# Allegro board trx_layout.brd (continued)
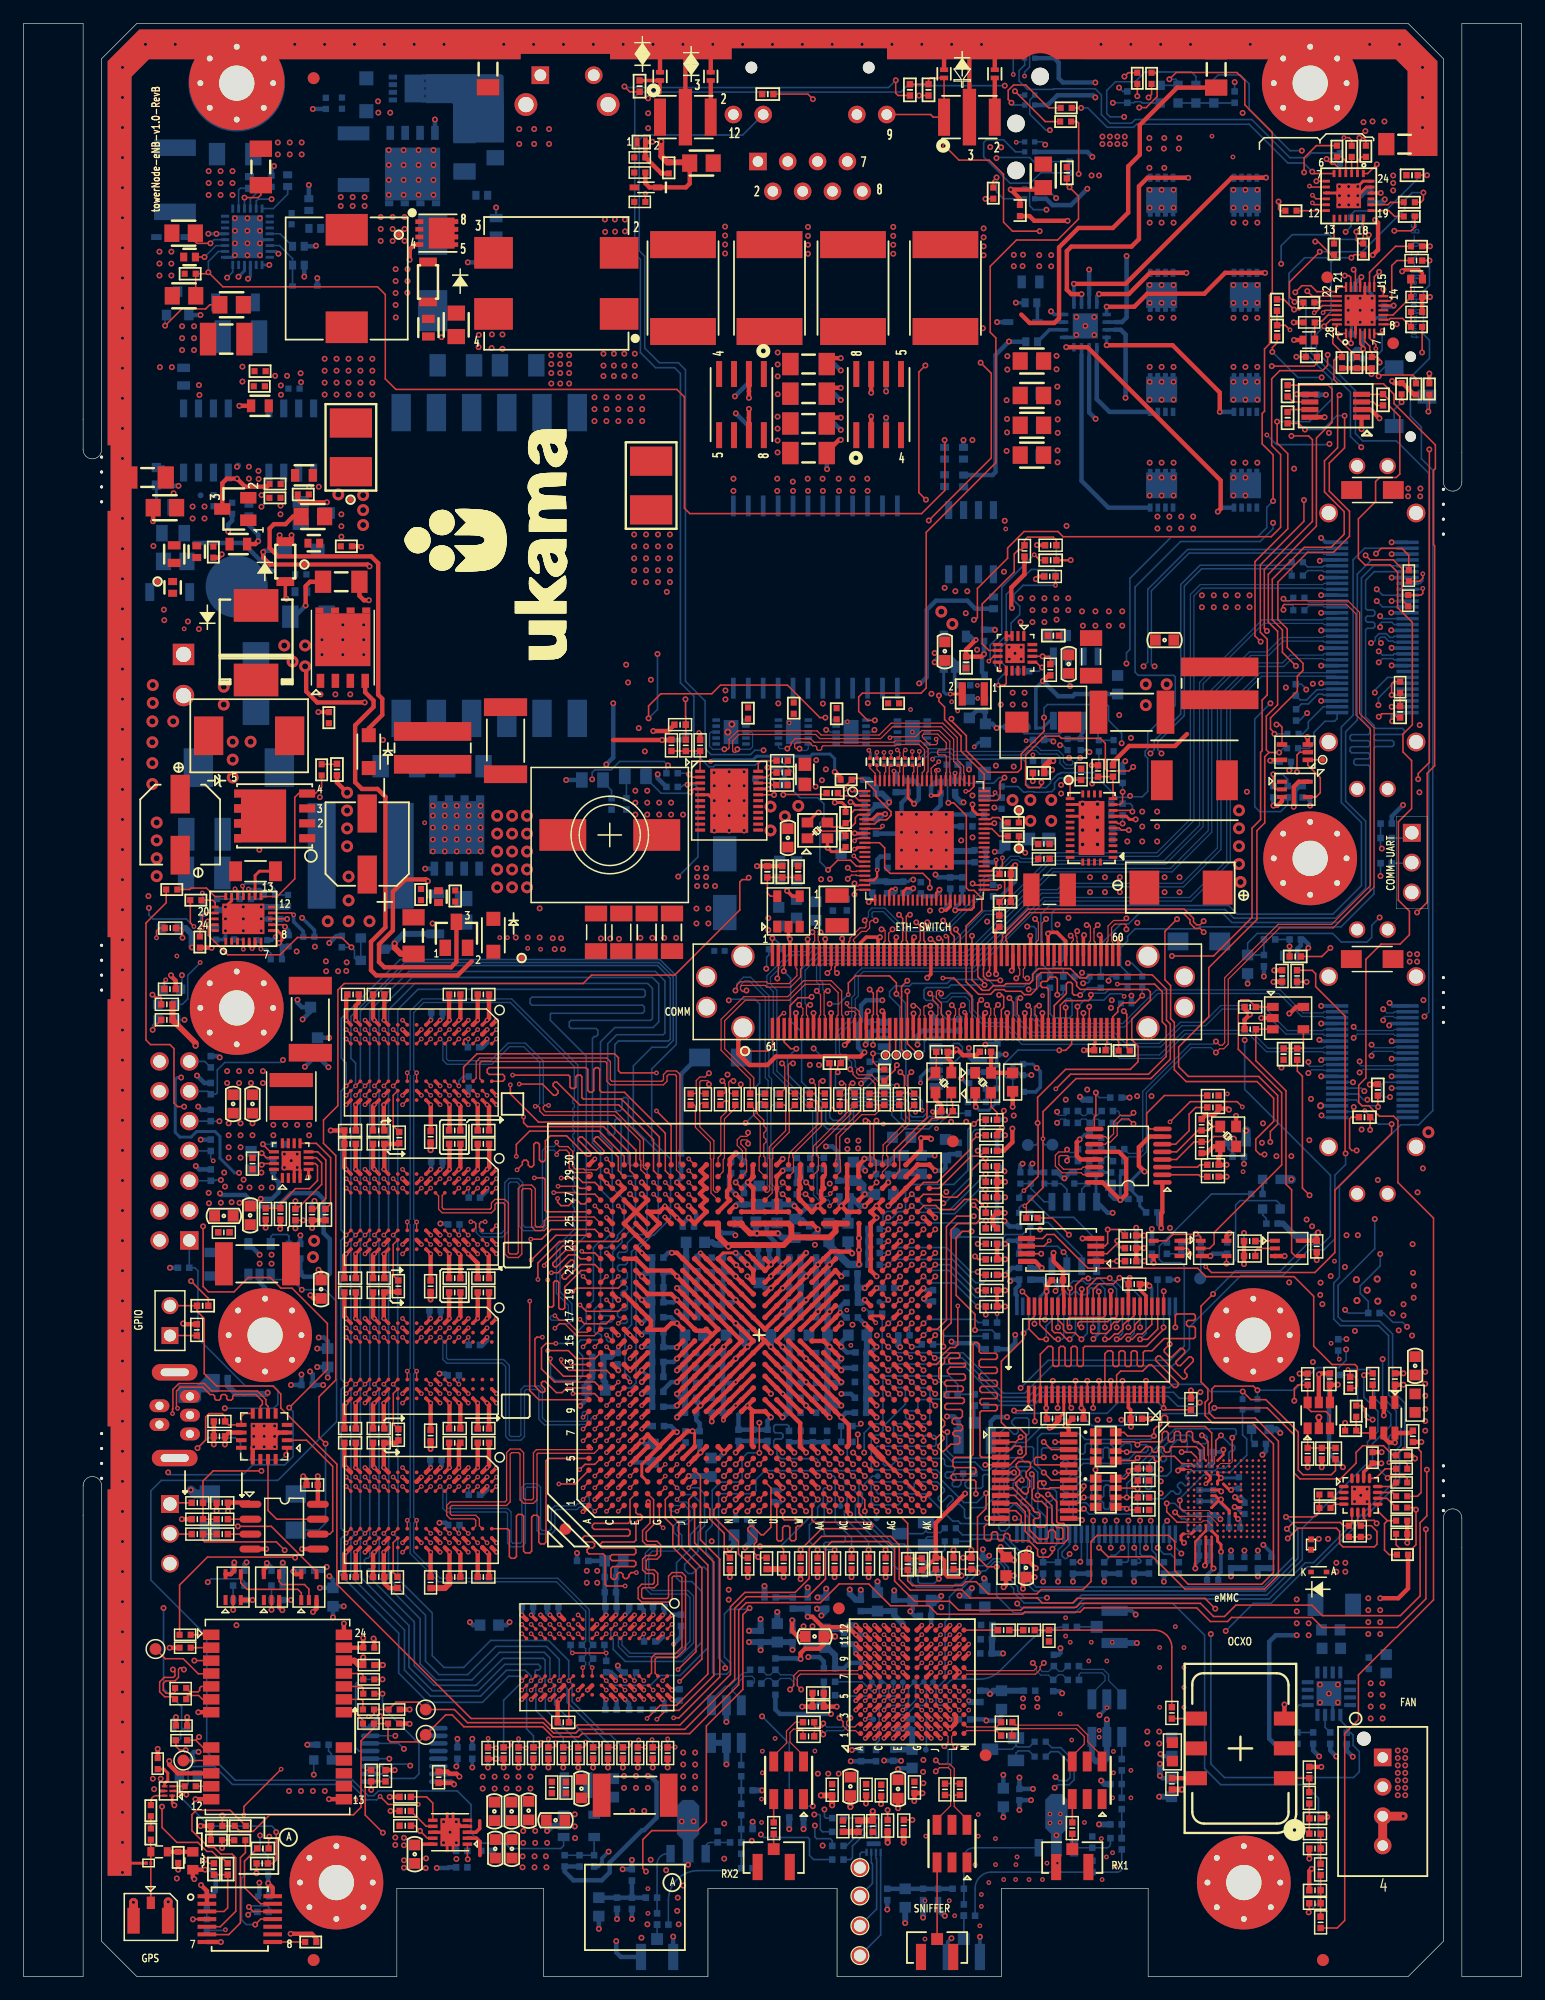
[diagram p0: board, top side]
## Routing (per net, layer and track width the routed paths; a pad name or vN(x,y) marks a point on that pad's centre or on a via; arc(x,y) is an arc through that point) (continued)
GND_POWER: length 7.6
  TOP w0.381: R44.2 v1(18.39,133.74)
  BOTTOM w0.254: U45.1 17.83,146.38 v1(18.01,146.56) ; v1(20.14,147.57) 20.45,147.88 U45.19
  BOTTOM w0.381: R256.2 v1(24.31,152.54) ; R730.2 v1(80.07,130.82) ; v1(37.85,145.95) 38.44,145.95 C188.2 ; D18.2 v1(25.03,144.61)
  vias: v1(11.58,146.86) v1(11.58,145.85) v1(11.58,144.83) v1(12.6,146.86) v1(12.6,145.85) v1(12.6,144.83) v1(13.51,140.51) v1(13.51,139.5) v1(13.51,138.48) v1(14.53,140.51) v1(14.53,139.5) v1(14.53,138.48) v1(14.94,135.5) v1(14.99,134.66) v1(18.01,149.71) v1(18.01,148.64) v1(18.01,147.57) v1(19.08,149.71) v1(19.08,148.64) v1(19.08,147.57) v1(19.08,146.56) v1(20.14,149.71) v1(20.14,148.64) v1(20.14,146.56) v1(21.67,156.16) v1(21.67,155.14) v1(22.68,156.16) v1(22.68,155.14) v1(23.7,156.16) v1(23.7,155.14) v1(23.61,136.51) v1(23.64,135.74) v1(27.03,151.51) v1(27.03,150.75) v1(28.04,151.51) v1(28.04,150.75) v1(29.06,151.51) v1(29.06,150.75) v1(30.2,159.66) v1(30.23,158.7) v1(31.24,158.7) v1(31.7,145.37) v1(31.7,144.36) v1(31.7,143.34) v1(31.7,142.32) v1(31.71,141.26) v1(32.72,145.37) v1(32.72,144.36) v1(32.7,143.37) v1(38.79,139.77) v1(38.77,138.73) v1(39.88,138.66) v1(39.9,139.82) v1(40.8,139.81) v1(40.8,138.59) v1(48.64,134.47) v1(48.64,133.45) v1(48.64,132.44) v1(49.66,134.47) v1(49.66,133.45) v1(49.66,132.44) v1(50.67,134.47) v1(50.67,133.45) v1(50.67,132.44) v1(51.69,134.47) v1(51.69,133.45) v1(51.69,132.44) v1(52.7,134.47) v1(52.7,133.45) v1(52.7,132.44) v1(80.84,130.82)
V1P8_S: length 19.7
  TOP w0.254: J4.116 91.29,79.47 91.21,79.4 R115.2
  TOP w0.381: v1(90.33,78.87) R115.2 ; R11.2 114.71,75.97 v1(114.68,75.95)
  BOTTOM w0.254: U248.1 84.44,77.69 C650.1 85.99,77.69 v1(86.31,77.37)
  BOTTOM w0.305: v2(76.41,76.08) 76.41,76.59 76.99,77.16 U59.2 ; v1(86.31,77.37) 86.62,77.06 86.62,75.72 86.22,75.32 R659.1
  BOTTOM w0.381: R295.1 116.56,98.79 v1(117.52,99.75) ; R656.1 80.91,77.96 80.53,78.34 v1(80.53,79.05) ; R102.2 U58.2 76.58,80.54 76.16,80.12 v1(76.16,79.35)
  vias: v1(92.64,82.48) v1(92.71,83.12)
V3P3_A: length 34.7
  TOP w0.381: v1(71.64,78.69) 71.28,78.33 70.06,78.33 70.02,78.36 68.24,78.36 68.21,78.33 64.08,78.33 63.36,77.61 61.84,77.61 60.89,78.56 60.89,80.39 J4.PC1
  L3-SIGNAL w0.381: v1(83.67,78.51) 83.62,78.51 83.38,78.27 79.06,78.27 77.98,79.35 77.48,79.35 75.98,80.84 75.47,80.84 v1(73.16,83.12)
  BOTTOM w0.305: U248.6 82.91,78.42 C651.1 83.65,78.49 v1(83.67,78.51)
  BOTTOM w0.381: v1(73.16,83.12) 71.78,83.12 71.35,82.69 71.35,81.34 71.1,81.09 71.1,79.23 71.1,79.23 71.1,79.08 71.47,78.71 71.62,78.71 v1(71.64,78.69)
VCC: length 1.7
  BOTTOM w0.254: U45.21 21.52,146.88 v1(21.72,146.69)
  BOTTOM w0.381: R251.2 21.13,153.94 v1(21.34,154.15)
  vias: v1(15.77,153.72) v1(15.77,152.7) v1(15.77,151.69) v1(16.79,153.72) v1(16.79,152.7) v1(16.79,151.69) v1(17.81,153.72) v1(17.81,152.7) v1(17.81,151.69) v1(21.92,135.47) v1(21.94,134.68)
VDD_CORE: length 9.3
  TOP w0.203: v1(79.36,90.78) 79.41,90.83 80.75,90.83 80.95,91.03 U243.44 ; U243.61 81.26,98.93
  TOP w0.254: U243.23 72.17,91.65 v1(72,91.49) ; 81.26,98.93 80.84,99.35 v1(80.84,99.8) ; U243.10 70.82,97.33
  TOP w0.381: 70.82,97.33 v1(70.81,97.35)
  BOTTOM w0.305: v1(79.36,90.78) 79.36,91 79.97,91.61 C628.1
  BOTTOM w0.381: C632.1 72.3,91.79 v1(72,91.49) ; C629.1 70.84,97.32 v1(70.81,97.35)
  vias: v1(80.84,100.56)
VDD_GPO: length 7.1
  TOP w0.381: U3.B8 v2(71.7,26.71)
  BOTTOM w0.381: v2(71.7,26.71) 70.37,26.71 69.9,26.24 C424.1
  BOTTOM w0.508: C424.1 69.14,27.35 68.48,28.02 C414.1 L33.2
VDDA_1V3_BB: length 4.5
  TOP w0.381: U3.K4 v2(78.92,22.68)
  BOTTOM w0.508: C429.1 82.06,24.33 v1(82.34,24.06) 82.61,24.33 C430.1 L38.2
  vias: v1(85.14,23.67) v1(85.14,22.96)
VDDA_1V3_RX_LO: length 6
  TOP w0.381: U3.E2 v2(74.1,21.08) ; U3.F2 v2(74.9,21.08)
  BOTTOM w0.508: L39.2 C440.1 C435.1 75.57,21.08 v2(74.9,21.08) v2(74.1,21.08)
VDDA_1V3_RX_SYNTH: length 0.6
  TOP w0.381: U3.J3 v2(78.12,21.88)
  vias: v1(76.66,18.44) v1(76.63,17.42) v1(76.66,16.46)
VDDA_1V3_RX_TX: length 1.7
  TOP w0.381: U3.E3 v2(74.11,21.89) ; U3.D3 v2(73.3,21.88) ; U3.D2 v2(73.3,21.08)
  vias: v1(67.67,17.27) v1(68.56,17.27) v1(69.45,17.27)
VDDA_1V3_TX_LO: length 6.2
  TOP w0.381: U3.B10 v2(71.7,28.31) ; U3.B9 v2(71.7,27.51)
  BOTTOM w0.508: L32.2 C412.1 C413.1 v1(65.51,27.81) ; L32.2 v1(62.79,27.79) ; L32.2 v1(61.8,28.47)
VDDA_1V3_TX_SYNTH: length 4.6
  TOP w0.381: U3.K3 v2(78.92,21.88)
  BOTTOM w0.381: C448.1 v1(83.47,17.17) ; v1(84.84,16.94) L41.2 v1(85.99,15.98) ; C434.1 79.67,21.88 v2(78.92,21.88)
VDDD_1V3_DIG: length 4.9
  TOP w0.381: U3.F12 v2(74.9,29.91)
  BOTTOM w0.508: L31.2 C398.1 C401.1 74.17,30.76 74.9,30.03 v2(74.9,29.91)
VIN:
  vias: v1(25.65,137.74) v1(25.65,136.73) v1(25.65,135.71) v1(25.65,134.7) v1(26.67,137.74) v1(26.67,136.73) v1(26.67,135.71) v1(26.67,134.7) v1(27.69,137.74) v1(27.69,136.73) v1(27.69,135.71) v1(27.69,134.7) v1(28.7,137.74) v1(28.7,136.73) v1(28.7,135.71) v1(28.7,134.7) v1(29.72,137.74) v1(29.72,136.73) v1(29.72,135.71) v1(29.72,134.7)
1P5: length 2.2
  TOP w0.381: v1(62.48,94.55) R545.1 C600.1
  vias: v1(67.53,103.57) v1(67.94,93.42) v1(68.35,102.79) v1(68.71,93.44)
1PPS_OUT: length 195.2
  TOP w0.137: v1(101.52,31.32) 100.63,32.21 89.77,32.21 89.36,31.8 86.79,31.8 86.37,32.23 80.63,32.23 79.96,32.9 75.53,32.9 74.6,33.84 74.6,36.75 73.87,37.48 67.99,37.48 66.93,36.42 66.93,33.9 65.74,32.71 61.45,32.71 60.23,31.48 60.23,25.72 55.93,21.42 47.18,21.42 46.84,21.08 45.21,21.08 44.32,21.97 38.13,21.97 26.7,33.4 26.7,43.62 21.92,48.4 21.92,49.61 21.25,50.28 16.45,50.28 15.4,51.33 15.4,56.03 14.78,56.64 R7.2 J6.2
  L3-SIGNAL w0.127: v1(101.52,31.32) 105.9,31.32 110.57,35.99 114.58,35.99 116.26,37.67 116.26,40.51 112.09,44.68 112.09,47.78 112.93,48.62 112.93,50.67 112.6,51 111.13,51 109.93,49.81 107.67,49.81 107.16,49.29 100.62,49.29 v1(100.2,48.87)
  BOTTOM w0.137: R413.1 82.02,48.63 86.05,48.63 86.83,49.41 97.48,49.41 98.32,48.56 99.9,48.56 v1(100.2,48.87)
4G_IN_12V: length 27.8
  TOP w0.381: v1(34.45,93.26) 34.3,93.41 32.52,93.41 31.47,92.36 31.47,89.07 30.28,87.89 30.28,86.39 30.74,85.93 36.42,85.93 36.88,86.39 Q12.3
  L6-SIGNAL w0.381: v1(34.45,93.26) 33.19,94.52 29.28,98.43 29.2,98.43
  BOTTOM w0.254: 14.34,125.1 v1(14.41,125.16)
  vias: v1(11.96,116.38) v1(12,115.49) v1(14.41,124.15) v1(15.42,125.16) v1(15.42,124.15) v1(20.02,128.19) v1(20.03,127.51) v3(10.98,106.87) v3(10.98,105.09) v3(10.98,103.31) v3(10.98,101.54) v3(12.76,106.87) v3(26.82,126.19) v3(28.93,126.13) v3(28.93,124.86) v3(28.93,123.59)
7130_BOOT_AD0: length 54.8
  TOP w0.137: v1(73.67,39.61) U1.AF1 ; U27.4 81.62,44.21 81.48,44.35 81.48,46.5 81.48,46.5 81.48,48.03 81.61,48.17 82.82,48.17 82.96,48.31 82.96,48.55 82.82,48.69 81.61,48.69 81.48,48.82 81.48,49.07 81.61,49.21 82.82,49.21 82.96,49.34 82.96,49.59 82.82,49.72 81.61,49.72 81.48,49.86 81.48,50.11 81.61,50.24 82.82,50.24 82.96,50.38 82.96,50.62 82.82,50.76 81.61,50.76 81.41,50.96 81.41,51.22 81.55,51.36 82.82,51.36 82.96,51.5 82.96,51.74 82.82,51.88 81.55,51.88 81.41,52.02 81.41,52.41 81.55,52.55 82.82,52.55 82.96,52.69 82.96,52.93 82.82,53.07 81.55,53.07 81.41,53.21 81.41,53.83 81.28,53.97 81.03,53.97 80.9,53.83 80.9,44.45 80.66,44.21 79.39,44.21 79.18,44 79.18,43.47 79.32,43.33 80.99,43.33 81.13,43.19 81.13,42.93 80.99,42.79 79.17,42.79 79.04,42.66 79.04,42.41 79.17,42.27 80.99,42.27 81.13,42.14 v1(81.13,41.1)
  L3-SIGNAL w0.127: v1(81.13,41.1) 81.13,40.21 81,40.08 73.8,40.08 73.67,39.95 v1(73.67,39.61)
7130_BOOT_AD1: length 33.2
  TOP w0.137: v1(85.19,54.76) 85.19,54.28 83.3,52.39 83.3,47.18 83.78,46.7 84.84,46.7 85.4,46.14 85.4,44.49 85.1,44.19 84.67,44.19 84.04,43.56 U27.5 v1(81.93,43.56) ; v1(73.67,40.61) U1.AF2
  L3-SIGNAL w0.127: v1(73.67,40.61) 73.67,40.41 73.66,40.41 73.48,40.23 73.27,40.23 73.14,40.36 73.14,41.93 73.27,42.06 73.81,42.06 73.81,42.07 74.01,42.27 74.47,42.27 74.68,42.06 76.72,42.06 76.86,42.21 77.17,42.21 77.31,42.06 78.08,42.06 78.3,42.28 78.58,42.28 78.81,42.06 79.09,42.06 79.32,42.28 79.6,42.28 79.82,42.06 80.98,42.06 81.17,42.24 81.17,42.42 80.97,42.61 80.97,42.79 81.15,42.97 81.33,42.97 81.52,42.78 81.7,42.78 81.93,43.01 v1(81.93,43.56)
  BOTTOM w0.137: U64.31 85.62,55.19 v1(85.19,54.76)
7130_BOOT_AD2: length 34.9
  TOP w0.137: v1(72.67,41.61) U1.AE3 ; U27.6 84.04,42.91 84.11,42.98 84.3,42.98 v1(84.37,42.91)
  BOTTOM w0.137: v1(72.67,41.61) 72.67,41.23 72.81,41.1 76.83,41.1 76.84,41.09 76.86,41.09 77.12,40.82 77.12,40.81 79.15,38.78 79.62,38.78 79.84,38.56 82.56,38.56 82.7,38.7 82.7,40.3 83.53,41.13 83.53,42.27 84.18,42.91 v1(84.37,42.91) 84.56,42.73 84.56,42.53 84.42,42.39 84.1,42.39 83.79,42.09 83.79,41.62 83.93,41.48 84.18,41.48 84.3,41.6 84.3,41.97 84.4,42.07 84.57,42.07 84.66,41.98 84.66,41.1 84.53,40.96 83.89,40.96 83.75,40.83 83.75,40.63 83.95,40.43 83.95,40.24 83.81,40.09 83.61,40.09 83.39,40.32 83.18,40.32 82.99,40.14 82.99,39.42 83.22,39.2 83.58,39.2 83.72,39.06 83.72,38.82 83.58,38.68 83.22,38.68 83.08,38.54 83.08,38.15 83.29,37.94 83.62,37.94 83.65,37.94 83.98,38.28 83.98,39.85 84.31,40.18 84.51,40.18 85.62,39.07 U64.26
7130_BOOT_AD3: length 42.9
  TOP w0.137: v1(74.67,39.61) U1.AG1 ; v1(85.04,42.27) 85,42.31 84.81,42.31 84.52,42.02 84.52,41.83 85.26,41.1 85.45,41.1 85.58,41.23 85.58,41.57 85.72,41.7 85.72,42.23 85.42,42.53 85.42,42.95 85.78,43.31 85.78,43.7 85.63,43.85 84.81,43.85 84.57,43.61 84.57,43.35 84.84,43.08 84.84,42.75 84.36,42.26 U27.7
  L3-SIGNAL w0.127: v1(74.67,39.61) 75.44,38.84 81.26,38.84 81.9,39.48 82.36,39.48 82.49,39.6 82.49,39.98 82.61,40.11 82.87,40.11 82.99,39.98 82.99,39.6 83.12,39.48 83.37,39.48 83.5,39.6 83.5,39.98 83.63,40.11 83.88,40.11 84.01,39.98 84.01,39.6 84.14,39.48 84.91,39.48 85.04,39.6 85.04,39.78 85.17,39.91 85.43,39.91 85.56,39.78 85.56,39.47 85.69,39.34 85.94,39.34 86.07,39.47 86.07,39.78 86.19,39.91 86.45,39.91 86.58,39.78 86.58,39.47 86.7,39.34 86.96,39.34 87.08,39.47 87.08,39.78 87.21,39.91 87.68,39.91 87.79,40.01 87.79,40.3 87.66,40.42 85.09,40.42 84.94,40.57 84.94,41.38 85.62,42.06 85.62,42.39 85.41,42.61 85.41,42.83 85.28,42.95 85.1,42.95 84.97,42.83 84.97,42.33 v1(85.04,42.27)
  BOTTOM w0.137: v1(85.04,42.27) 85.04,42.57 84.94,42.67 84.94,42.93 85.07,43.07 85.3,43.07 85.42,42.95 85.42,42.6 85.55,42.47 85.55,41.81 85.41,41.67 85.14,41.67 85,41.53 85,41.29 85.14,41.15 85.32,41.15 85.45,41.02 85.45,40.8 85.32,40.66 85.07,40.66 84.94,40.52 84.94,40.27 85.07,40.14 85.4,40.14 85.55,39.99 85.55,39.66 86.12,39.09 U64.25
7130_BOOT_AD4: length 45.9
  TOP w0.137: U27.8 84.26,41.61 85.31,40.56 86.03,39.84 86.03,39.67 86.17,39.53 86.45,39.53 86.58,39.39 86.58,39.15 86.45,39.01 86.17,39.01 86.03,38.87 86.03,38.62 86.38,38.27 86.94,38.27 87.2,38.53 87.2,39.99 86.73,40.46 86.2,40.46 85.93,40.73 85.93,41.43 86.07,41.57 86.07,42.6 v1(85.89,42.77) ; v1(75.67,39.61) U1.AH1
  L3-SIGNAL w0.127: v1(85.89,42.77) 85.89,43.85 85.64,44.11 84.45,44.11 84.32,43.98 84.32,43.74 84.19,43.61 83.94,43.61 83.81,43.74 83.81,43.98 83.69,44.11 83.12,44.11 82.78,43.76 82.78,42.15 82.91,42.02 83.16,42.02 83.3,42.16 83.3,43.24 83.45,43.39 83.64,43.39 83.8,43.22 83.8,42.15 83.93,42.02 84.45,42.02 84.58,41.89 84.58,41.64 84.45,41.51 82.74,41.51 82.61,41.38 82.61,41.13 82.74,41 84.45,41 84.58,40.88 84.58,40.62 84.45,40.49 82.28,40.49 80.95,39.17 80,39.17 79.87,39.3 79.87,39.62 79.74,39.75 79.49,39.75 79.36,39.62 79.36,39.3 79.23,39.17 78.98,39.17 78.85,39.3 78.85,39.62 78.73,39.75 78.47,39.75 78.35,39.62 78.35,39.3 78.22,39.17 75.8,39.17 75.67,39.3 v1(75.67,39.61)
  BOTTOM w0.137: U64.24 86.62,39.11 85.89,39.84 v1(85.89,42.77)
7130_BOOT_AD5: length 47.6
  TOP w0.137: v1(86.4,40.96) 86.73,40.96 86.83,40.86 86.83,40.86 87.09,40.6 87.09,40.6 87.61,40.08 87.61,38.65 88.02,38.25 88.02,38.25 88.04,38.22 88.41,38.22 88.55,38.09 88.55,37.37 88.41,37.23 88.04,37.23 87.9,37.37 87.9,37.84 87.7,38.04 87.49,38.04 87.3,37.85 87.3,37.39 87.16,37.25 86.47,37.25 85.69,38.03 85.69,39.7 84.43,40.96 U27.9 ; v1(74.67,40.61) U1.AG2
  BOTTOM w0.137: U64.23 87.12,39.09 86.4,39.82 v1(86.4,40.96) 86.4,42.94 85.93,43.41 84.19,43.41 83.15,42.37 83.15,41.24 81.84,39.92 80.81,39.92 80.67,39.79 80.67,39.14 80.54,39.01 80.29,39.01 80.15,39.14 80.15,39.79 79.74,40.21 79.54,40.21 79.07,39.74 78.88,39.74 78.71,39.91 78.71,40.1 79.18,40.57 79.18,40.77 79,40.94 78.81,40.94 78.3,40.43 78.1,40.43 77.93,40.6 77.93,40.79 78.44,41.3 78.44,41.5 77.83,42.11 76.02,42.11 75.88,41.98 75.88,41.69 75.74,41.55 75.5,41.55 75.36,41.69 75.36,41.98 75.23,42.11 72.52,42.11 72.21,41.81 72.21,40.42 72.48,40.16 74.52,40.16 74.67,40.3 v1(74.67,40.61)
7130_BOOT_AD6: length 46.8
  TOP w0.137: v1(87.28,41.05) 87.41,41.05 88.02,40.43 88.02,38.72 88.16,38.59 88.61,38.59 88.97,38.23 88.97,37.23 88.63,36.89 86.35,36.89 85.33,37.91 85.33,39.58 84.59,40.31 U27.10 ; v1(73.67,41.61) U1.AF3
  L3-SIGNAL w0.127: v1(73.67,41.61) 74.11,41.17 77.15,41.17 77.29,41.02 77.29,40.54 77.42,40.41 77.67,40.41 77.8,40.54 77.8,41.1 78.36,41.66 78.61,41.66 78.74,41.53 78.74,40.59 78.87,40.46 79.12,40.46 79.25,40.59 79.25,41.5 79.38,41.63 79.74,41.63 79.74,40.85 79.96,40.64 80.46,40.64 80.68,40.86 80.68,41.44 80.87,41.63 81.04,41.63 81.27,41.86 81.61,41.86 81.84,41.63 82.05,41.63 82.38,41.95 82.38,44.37 82.54,44.53 82.94,44.53 83.17,44.75 83.17,45.16 83.37,45.36 83.63,45.36 83.75,45.24 83.75,44.58 83.88,44.45 84.13,44.45 84.26,44.58 84.26,45.31 84.39,45.44 85.23,45.44 85.44,45.22 85.44,45.04 85.57,44.91 85.82,44.91 85.95,45.04 85.95,45.31 86.08,45.44 86.32,45.44 87.39,44.37 87.39,41.16 v1(87.28,41.05)
  BOTTOM w0.137: v1(87.28,41.05) 87.52,41.05 87.66,40.91 87.66,40.59 87.52,40.46 87.24,40.46 87.1,40.32 87.1,40.07 87.24,39.94 87.48,39.94 87.62,39.8 U64.22
7130_BOOT_AD7: length 49.8
  TOP w0.137: v1(87.65,36.42) 87.65,36.07 87.29,35.71 86.54,35.71 86.39,35.86 86.39,36.37 85.64,37.11 84.16,37.11 84.02,37.25 84.02,37.56 83.85,37.72 83.64,37.72 83.5,37.59 83.5,37.25 83.36,37.11 83.12,37.11 82.98,37.25 82.98,37.73 82.85,37.86 82.6,37.86 82.47,37.73 82.47,37.25 82.33,37.11 82.04,37.11 81.85,37.3 81.85,38.31 82.04,38.5 84.85,38.5 84.99,38.64 84.99,39.2 84.53,39.66 U27.11 ; U1.AE4 v1(71.67,43.61)
  L3-SIGNAL w0.127: v1(71.67,43.61) 71.26,43.61 71.13,43.74 71.13,44.04 71.26,44.17 71.8,44.17 71.8,44.17 72.96,44.17 73.21,43.93 73.21,43.5 72.85,43.14 71.24,43.14 71.11,43.02 71.11,41.02 72.16,39.97 72.16,39.49 72.82,38.84 74.51,38.84 75.17,38.18 85.4,38.18 85.83,37.76 86.08,37.76 86.31,37.99 86.49,37.99 86.67,37.81 86.67,37.63 86.4,37.36 86.4,37.18 86.67,36.91 87.8,36.91 88.29,36.42 88.29,35.09 88.12,34.93 87.89,34.93 87.7,35.11 87.7,36.36 v1(87.65,36.42)
  BOTTOM w0.137: v1(87.65,36.42) 88.12,36.89 U64.21
7130_BOOT_AD8: length 28.7
  TOP w0.137: v1(70.67,44.61) U1.AD5
  L3-SIGNAL w0.127: v1(86.89,36.22) 85.27,37.85 75.03,37.85 74.37,38.51 72.01,38.51 71.2,39.32 71.2,39.88 70.95,40.13 70.48,40.13 70.22,40.39 70.22,44.07 70.44,44.29 70.44,44.39 v1(70.67,44.61)
  BOTTOM w0.137: U64.20 88.62,36.8 88.13,36.31 R433.1 R434.1 86.86,35.96 86.89,35.99 v1(86.89,36.22)
7130_BOOT_AD9: length 51.7
  TOP w0.137: U1.AJ1 v1(76.67,39.61)
  L6-SIGNAL w0.127: v1(76.67,39.61) 76.13,39.07 76.13,38.32 76.47,37.97 83.12,37.97 83.25,38.1 83.25,38.93 83.37,39.06 83.63,39.06 83.76,38.93 83.76,38.1 83.88,37.97 84.14,37.97 85.29,39.13 85.55,39.13 85.67,39 85.67,38.1 85.8,37.97 86.05,37.97 86.18,38.1 86.18,39 86.31,39.13 86.56,39.13 86.69,39 86.69,38.1 86.82,37.97 87.07,37.97 87.2,38.1 87.2,39 87.32,39.13 87.58,39.13 87.7,39 87.7,38.1 87.83,37.97 88.09,37.97 88.21,38.1 88.21,39 88.34,39.13 88.59,39.13 88.72,39 88.72,38.1 88.85,37.97 89.1,37.97 89.23,38.1 89.23,39 89.36,39.13 89.81,39.13 90.03,39.34 92.33,39.34 92.58,39.09 92.58,38.05 91.85,37.31 91.36,37.31 91.16,37.11 91.16,34.16 91.25,34.07 91.25,33.82 91.12,33.69 90.69,33.69 90.56,33.56 90.56,33.31 90.69,33.18 91.12,33.18 91.25,33.05 91.25,32.8 91.12,32.67 90.69,32.67 90.56,32.55 90.56,32.29 90.69,32.16 91.12,32.16 91.25,32.04 91.25,31.78 91.12,31.66 90.69,31.66 90.49,31.45 90.49,31.18 90.67,31.01 91.51,31.01 91.64,31.13 91.64,33.42 91.62,33.44 91.62,34.51 v1(93.62,36.51)
  BOTTOM w0.137: R430.1 92.67,35.87 93.03,35.87 93.62,36.46 v1(93.62,36.51) U64.10
7130_BOOT_AD10: length 50.5
  TOP w0.137: U1.AH2 v1(75.67,40.61)
  L6-SIGNAL w0.127: v1(94.12,38.82) 94.12,38.82 94.12,37.58 93.49,36.94 92.71,36.94 92.58,37.07 92.58,37.49 92.77,37.68 92.95,37.68 93.25,37.38 93.43,37.38 93.61,37.56 93.61,37.74 93.31,38.04 93.31,38.22 93.64,38.55 93.64,39.52 92.84,40.32 92.51,40.32 92.38,40.2 92.38,39.81 92.27,39.69 91.98,39.69 91.87,39.81 91.87,40.04 91.46,40.45 91.46,40.79 91.35,40.91 91.07,40.91 90.95,40.79 90.95,40.45 90.83,40.32 89.41,40.32 89.29,40.2 89.29,39.59 89.16,39.46 88.9,39.46 88.78,39.59 88.78,40.2 88.65,40.32 88.4,40.32 88.27,40.2 88.27,39.59 88.14,39.46 87.89,39.46 87.76,39.59 87.76,40.2 87.63,40.32 86.67,40.32 85.81,39.46 83.13,39.46 82.81,39.78 82.81,39.8 82.45,40.17 80.94,40.17 80.81,40.04 80.81,38.72 80.68,38.59 80.43,38.59 80.3,38.72 80.3,40.03 80.17,40.17 79.92,40.17 79.79,40.04 79.79,38.72 79.67,38.59 79.41,38.59 79.29,38.72 79.29,40.03 79.15,40.17 78.91,40.17 78.78,40.04 78.78,38.72 78.65,38.59 78.4,38.59 78.27,38.72 78.27,40.03 78.14,40.17 73.25,40.17 73.13,40.3 73.13,40.95 73.25,41.08 75.62,41.08 75.77,40.92 75.77,40.72 v1(75.67,40.61)
  BOTTOM w0.137: R425.1 93.98,35.27 94.12,35.41 U64.9 v1(94.12,38.82)
7130_BOOT_AD11: length 51.7
  TOP w0.137: U1.AG3 v1(74.67,41.61)
  L6-SIGNAL w0.127: v1(74.67,41.61) 75.97,41.61 76.49,41.1 77.07,41.1 77.51,40.65 82.24,40.65 82.76,41.18 83.02,41.18 83.14,41.05 83.14,39.99 83.27,39.86 83.53,39.86 83.65,39.99 83.65,41.05 83.78,41.18 84.03,41.18 84.16,41.05 84.16,39.92 84.29,39.79 84.54,39.79 84.67,39.92 84.67,41.05 84.8,41.18 85.05,41.18 85.18,41.05 85.18,39.92 85.3,39.79 85.56,39.79 85.68,39.92 85.68,41.05 85.81,41.18 85.98,41.18 86.35,41.55 89.31,41.55 89.63,41.24 92.42,41.24 93.39,40.27 94.25,40.27 94.62,39.9 94.62,37.52 94.12,37.02 94.12,36.37 92.53,34.78 92.53,33.35 92.65,33.23 93.12,33.23 93.24,33.1 93.24,32.85 93.12,32.72 92.65,32.72 92.53,32.59 92.53,32.34 92.65,32.21 93.12,32.21 93.24,32.08 93.24,31.83 93.12,31.7 92.65,31.7 92.53,31.58 92.53,31.22 92.65,31.09 94.04,31.09 94.16,31.22 94.16,34.22 94.62,34.68 v1(94.62,36.51)
  BOTTOM w0.137: U64.8 v1(94.62,36.51) 94.78,36.35 94.78,35.81 95.18,35.42 95.18,35.3 95.09,35.21 94.79,35.21 94.73,35.27 R429.1
7130_BOOT_AD12: length 50.5
  TOP w0.137: U1.AF4 v1(73.67,42.61)
  L3-SIGNAL w0.127: v1(95.12,38.82) 95.12,37.81 95.25,37.68 95.75,37.68 95.87,37.81 95.87,38.23 96,38.36 96.18,38.36 96.31,38.23 96.31,37.8 96.44,37.67 96.7,37.67 96.83,37.8 96.83,38.17 97.02,38.36 97.3,38.36 97.43,38.23 97.43,37.88 97.56,37.75 97.86,37.75 97.98,37.88 97.98,38.89 98.11,39.01 98.34,39.01 98.49,38.87 98.49,37.97 98.61,37.84 98.94,37.84 99.05,37.74 99.05,37.44 98.98,37.38 98.68,37.38 98.43,37.13 95.25,37.13 95.12,37 95.12,35.8 93.76,34.44 89.06,34.44 88.62,34.88 88.62,36.57 87.6,37.58 87.37,37.58 87.05,37.9 87.05,38.35 86.88,38.51 75.31,38.51 74.65,39.17 73.49,39.17 73.11,39.54 73.11,39.8 72.74,40.17 72.49,40.17 72.22,40.43 72.22,41.8 72.49,42.06 72.74,42.06 73.3,42.61 v1(73.67,42.61)
  BOTTOM w0.137: R428.1 95.88,35.28 96.15,35.55 96.15,35.73 96.05,35.83 95.27,35.83 95.12,35.97 U64.7 v1(95.12,38.82)
7130_BOOT_AD13: length 55.6
  TOP w0.137: U1.AD6 71.07,45.21 v1(71.07,46.16)
  L3-SIGNAL w0.127: v1(95.62,36.51) 95.62,35.67 95.75,35.54 99.02,35.54 99.14,35.41 99.14,35.23 99.02,35.11 98.72,35.11 98.58,34.97 98.58,34.34 98.71,34.21 99.71,34.21 99.83,34.08 99.83,33.83 99.71,33.7 98.8,33.7 98.45,33.36 98.2,33.36 98.07,33.48 98.07,34.98 97.95,35.11 96.29,35.11 96.14,34.96 96.14,33.36 96.01,33.24 95.76,33.24 95.63,33.36 95.63,34.97 95.49,35.11 95.27,35.11 94.27,34.11 88.25,34.11 86.35,36 85.03,36 83.51,37.52 74.9,37.52 74.42,38 72.05,38 70.87,39.18 70.87,39.54 70.61,39.8 69.85,39.8 69.22,40.43 69.22,43.87 69.52,44.17 69.85,44.17 70.11,44.43 70.11,45.2 v1(71.07,46.16)
  BOTTOM w0.137: U64.6 v1(95.62,36.51)
7130_BOOT_AD14: length 50.5
  TOP w0.137: U1.AH4 v1(75.67,42.61)
  L6-SIGNAL w0.127: v1(96.03,38.81) 95.91,38.93 95.91,41.17 94.83,42.25 94.05,42.25 93.52,42.77 93.21,42.77 93.01,42.97 93.01,43.29 92.55,43.74 86.39,43.74 86.26,43.87 86.26,45.87 86.39,45.99 87.08,45.99 87.21,46.12 87.21,46.3 86.7,46.8 85.72,46.8 85.49,46.57 85.49,45.79 84.86,45.17 83.82,45.17 83.62,44.97 83.62,44.28 83.75,44.15 85.8,44.15 85.93,44.02 85.93,43.77 85.8,43.64 83.82,43.64 83.62,43.45 83.62,42.04 83.53,41.94 83.24,41.94 82.9,42.28 81.76,42.28 81.63,42.41 81.63,42.66 81.76,42.79 83,42.79 83.12,42.92 83.12,43.62 83,43.74 82.74,43.74 82.12,43.12 81.45,43.12 81.3,42.97 81.3,42.07 81.18,41.94 80.92,41.94 80.79,42.07 80.79,42.49 80.67,42.61 80.41,42.61 80.29,42.49 80.29,42.07 80.16,41.94 79.91,41.94 79.78,42.07 79.78,42.49 79.65,42.61 79.4,42.61 79.27,42.49 79.27,42.07 79.14,41.94 78.89,41.94 78.76,42.07 78.76,42.49 78.64,42.61 78.38,42.61 77.94,42.17 76.11,42.17 v1(75.67,42.61)
  BOTTOM w0.137: R427.1 97.01,35.13 96.61,35.13 96.49,35.26 96.49,35.93 96.12,36.3 U64.5 96.12,38.72 v1(96.03,38.81)
7130_BOOT_AD15: length 51.7
  TOP w0.137: U1.AK3 v1(77.67,41.61)
  L6-SIGNAL w0.127: v1(96.62,36.51) 96.62,31.88 96.75,31.75 96.93,31.75 97.06,31.62 97.06,31.41 96.55,30.9 95.42,30.9 95.27,31.05 95.27,31.77 95.39,31.9 96.24,31.9 96.37,32.03 96.37,32.28 96.24,32.41 95.39,32.41 95.27,32.54 95.27,32.79 95.39,32.92 96.24,32.92 96.37,33.04 96.37,33.3 96.24,33.42 95.39,33.42 95.27,33.55 95.27,33.81 95.39,33.93 96.24,33.93 96.37,34.06 96.37,34.31 96.24,34.44 95.39,34.44 95.27,34.57 95.27,34.82 95.39,34.95 96.24,34.95 96.37,35.08 96.37,35.33 96.24,35.46 95.39,35.46 95.27,35.58 95.27,35.99 95.18,36.08 95.18,37.31 95.58,37.72 95.58,40.22 94.2,41.6 92.2,41.6 92.08,41.73 92.08,42.01 91.95,42.14 91.7,42.14 91.57,42.01 91.57,41.73 91.44,41.6 91.11,41.6 89.98,42.74 89.98,43.29 89.85,43.41 89.6,43.41 89.47,43.29 89.47,42.58 89.34,42.46 89.09,42.46 88.96,42.58 88.96,43.29 88.83,43.41 88.58,43.41 88.45,43.29 88.45,42.58 88.33,42.46 86.2,42.46 85.36,41.61 v1(77.67,41.61)
  BOTTOM w0.137: U64.4 v1(96.62,36.51) 97.16,35.97 97.72,35.97 R426.1
7130_BOOT_AD16: length 46.4
  TOP w0.137: U22.47 86.12,56.25 85.67,55.8 85.67,55.11 86.53,54.26 v1(87.12,54.26) ; v1(74.67,43.61) U1.AG5
  L6-SIGNAL w0.127: v1(74.67,43.61) 74.67,43.16 74.54,43.04 74.06,43.04 73.8,43.29 73.8,44.04 73.68,44.17 73.42,44.17 73.29,44.04 73.29,43.29 73.17,43.17 72.49,43.17 72.19,43.46 72.19,45.76 72.49,46.06 72.73,46.06 72.84,46.17 72.85,46.17 73.11,46.43 73.11,46.44 73.22,46.55 73.22,46.8 73.6,47.17 74.99,47.17 75.11,47.3 75.11,47.75 75.47,48.11 76.83,48.11 77.22,48.51 77.22,48.8 77.49,49.06 77.8,49.06 78.48,49.74 78.48,51.17 81.93,54.62 81.93,54.64 81.96,54.68 81.96,55.44 82.26,55.74 83.51,55.74 84.65,56.87 84.91,56.87 85.06,56.73 85.06,55.88 85.19,55.75 85.44,55.75 85.57,55.88 85.57,56.74 85.69,56.87 86.08,56.87 86.25,56.7 86.25,56.25 86.38,56.12 86.58,56.12 86.76,56.3 86.76,56.87 87.13,57.23 88.12,57.23 88.24,57.11 88.24,56.04 87.66,55.45 86.69,55.45 86.56,55.33 86.56,55.11 86.69,54.98 87.64,54.98 87.77,54.86 87.77,54.55 87.47,54.26 v1(87.12,54.26)
  BOTTOM w0.137: U64.35 87.62,55.89 87.12,55.39 v1(87.12,54.26)
7130_BOOT_AD17: length 46.5
  TOP w0.137: v1(88.14,54.26) 87.83,54.26 86.57,55.52 86.57,55.75 86.57,56.12 86.64,56.19 86.64,57.04 U22.46 ; v1(76.67,42.61) U1.AJ4
  L6-SIGNAL w0.127: v1(76.67,42.61) 76.9,42.61 77.46,43.17 78.37,43.17 78.58,42.95 78.87,42.95 79.09,43.17 79.35,43.17 79.54,42.98 79.85,42.98 80.04,43.17 80.71,43.17 81.55,44.01 82.09,44.01 89.42,51.34 96.24,51.34 96.67,51.77 96.67,56.05 96.28,56.44 88.75,56.44 88.62,56.31 88.62,55.06 88.14,54.58 v1(88.14,54.26)
  BOTTOM w0.137: v1(88.14,54.26) 88.48,54.26 88.62,54.39 U64.37
7130_BOOT_AD18: length 46.3
  TOP w0.137: v1(73.67,44.61) U1.AF6 ; v1(89.12,54.26) 88.88,54.26 88.32,54.81 87.83,54.81 87.62,55.03 U22.44
  L6-SIGNAL w0.127: v1(89.12,54.26) 89.12,53.61 88.95,53.44 85.63,53.44 85.5,53.57 85.5,54.18 85.37,54.3 85.12,54.3 84.99,54.18 84.99,53.43 84.4,52.84 84.22,52.84 82.77,54.28 82.59,54.28 82.41,54.1 82.41,53.92 83.66,52.67 83.66,52.49 83.48,52.31 83.3,52.31 82.02,53.59 81.84,53.59 81.66,53.41 81.66,53.23 82.94,51.95 82.94,51.77 82.76,51.59 82.58,51.59 81.3,52.87 81.12,52.87 80.94,52.69 80.94,52.51 82.22,51.23 82.22,51.05 82.04,50.87 81.86,50.87 80.58,52.15 80.4,52.15 80.22,51.98 80.22,51.8 81.5,50.51 81.5,50.34 80.15,48.98 79.97,48.98 79.67,49.29 79.49,49.29 79.31,49.11 79.31,48.93 79.61,48.62 79.61,48.44 79.15,47.98 79.15,47.52 78.77,47.14 78.55,47.14 78.37,47.14 78.19,46.96 78.19,46.78 78.19,46.29 77.96,46.06 76.44,46.06 76.2,45.82 76.2,45.36 76.01,45.17 74.6,45.17 74.49,45.06 74.49,45.06 74.22,44.8 74.22,44.79 74.05,44.61 v1(73.67,44.61)
  BOTTOM w0.137: v1(89.12,54.26) 89.62,54.76 U64.39
7130_BOOT_AD19: length 46.4
  TOP w0.137: v1(75.67,43.61) U1.AH5 ; v1(90.12,54.26) 89.56,54.81 88.85,54.81 88.58,55.09 88.58,55.46 88.12,55.92 U22.43
  L6-SIGNAL w0.127: v1(90.12,54.26) 90.19,54.32 90.56,54.32 90.7,54.19 90.7,53.72 89.76,52.78 88.56,52.78 87.21,51.43 87.01,51.43 85.87,52.57 85.69,52.57 85.52,52.4 85.52,52.22 86.67,51.07 86.67,50.89 86.49,50.71 86.31,50.71 85.17,51.85 84.99,51.85 84.81,51.67 84.81,51.49 85.95,50.35 85.95,50.17 84.91,49.13 84.56,49.13 84.16,49.54 83.86,49.54 82.52,48.2 82.52,47.9 83.29,47.13 83.29,46.95 83.11,46.77 82.93,46.77 82.16,47.54 81.98,47.54 81.8,47.36 81.8,47.18 82.57,46.41 82.57,46.23 82.39,46.05 82.21,46.05 81.44,46.82 81.26,46.82 81.08,46.64 81.08,46.46 81.85,45.69 81.85,45.51 81.67,45.33 81.49,45.33 80.72,46.1 80.54,46.1 80.36,45.92 80.36,45.74 80.91,45.19 80.91,45.01 80.73,44.83 80.55,44.83 80.12,45.27 78.94,45.27 78.81,45.14 78.81,44.51 78.68,44.39 78.43,44.39 78.3,44.51 78.3,45.14 78.18,45.27 77.49,45.27 77.17,44.95 77.17,44.35 76.88,44.06 75.72,44.06 75.59,43.93 75.59,43.69 v1(75.67,43.61)